# Altium PCB MARLIN.PcbDoc (part 1 of 3)
Units mil, origin at the board's own origin, x right, y up, seen from the top; angles counter-clockwise.
Board outline 6825 x 4695 mil, 2 copper layers (Top Layer, Bottom Layer); 246 components, 209 nets, 796 pads, 202 vias.
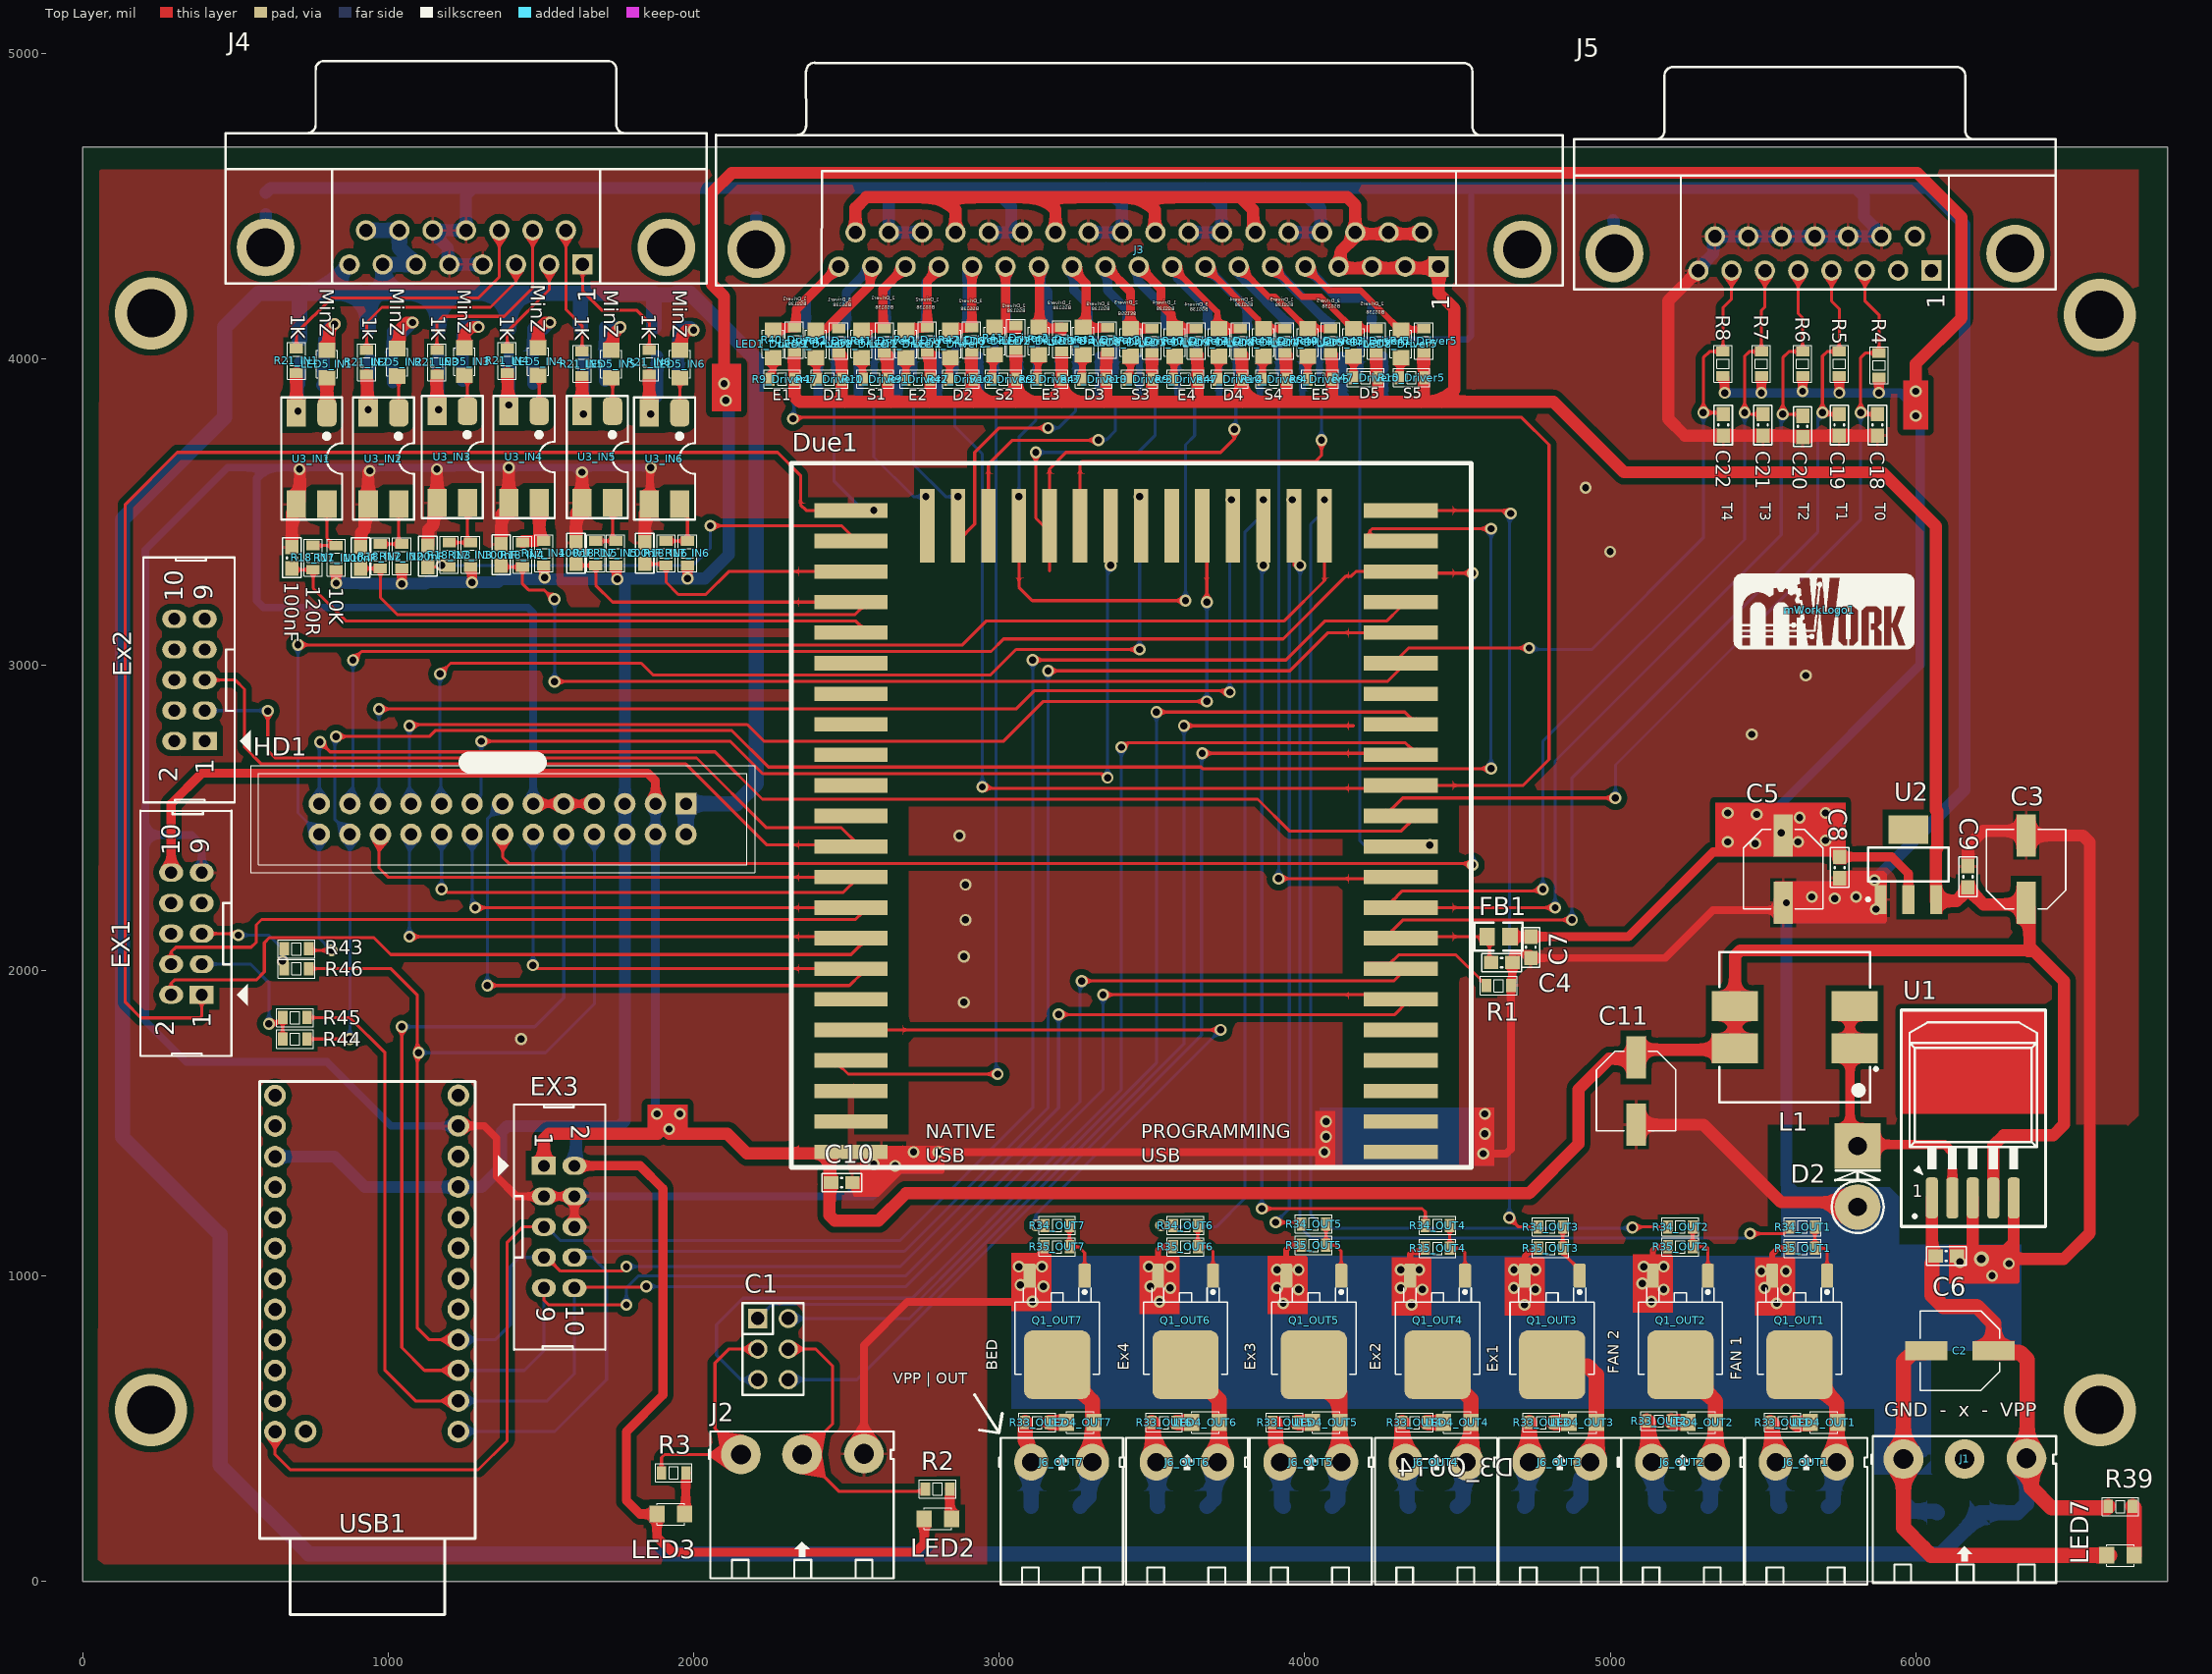
[diagram p0: Top Layer view]
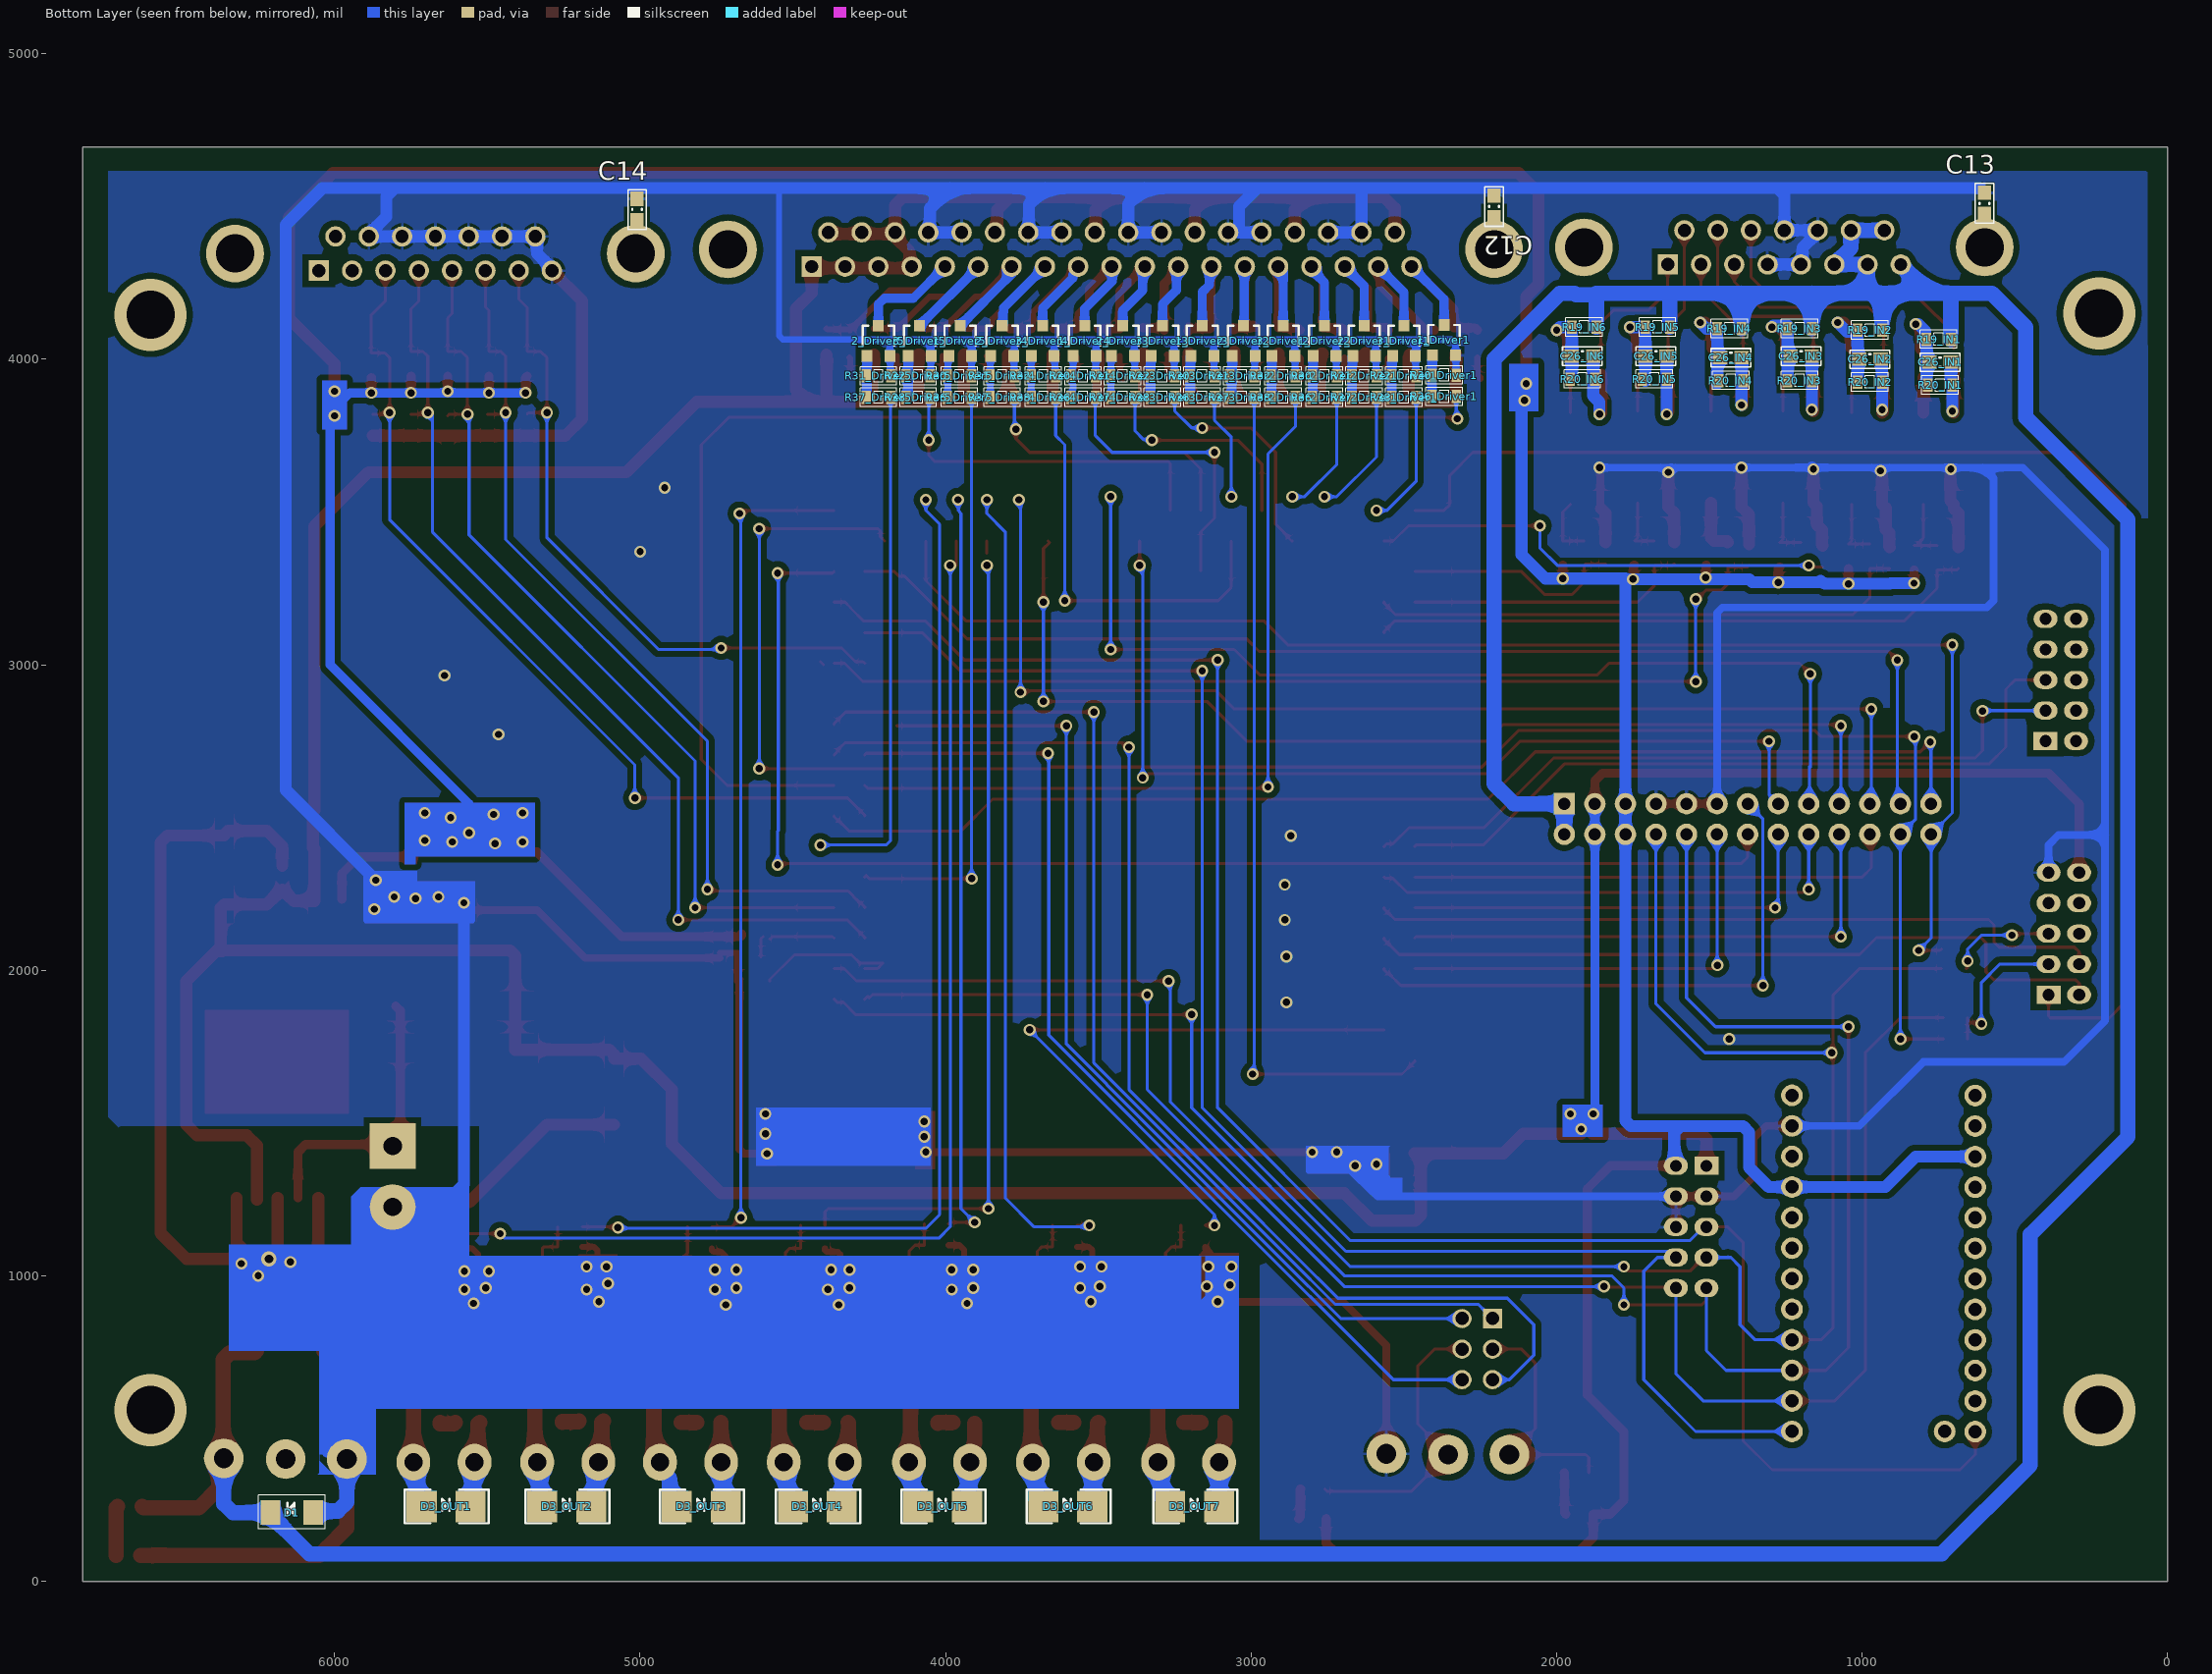
[diagram p1: Bottom Layer view, seen from below]

## Layer stack, top to bottom
Top Solder: solder mask 0.4, Solder Resist, Dk 3.5
Top Layer: signal copper 1.4
Dielectric 1: dielectric 12.6, FR-4, Dk 4.8
Bottom Layer: signal copper 1.4
Bottom Solder: solder mask 0.4, Solder Resist, Dk 3.5

## Board outline
0,0 6825,0 6825,4695 0,4695

## Design rules (kind name [scope] priority, off if disabled: settings)
Clearance "POLYGON IN" [InNamedPolygon('GND_L02_P004') Or InNamedPolygon('GND_L01_P003')] p1: gap=20 ignorepadtopadclearanceinfootprint=FALSE
Clearance [All] p2: gap=10 ignorepadtopadclearanceinfootprint=FALSE except(0: Arc-Hole Track-Hole SMDPad-Hole THPad-Hole Via-Hole Fill-Hole Poly-Hole Region-Hole Text-Hole)
PolygonConnect PolygonConnect_1 [All vs IsNamedPolygon('GND_L01_P013')    Or IsNamedPolygon('GND_L02_P012')] p1: thpad.connectstyle=Relief thpad.reliefconductorwidth=10 thpad.reliefentries=4 thpad.polygonreliefangle="45 Angle" thpad.airgapwidth=10 smdpad.connectstyle=Relief smdpad.reliefconductorwidth=10 smdpad.reliefentries=4 smdpad.polygonreliefangle="45 Angle" smdpad.airgapwidth=10 via.connectstyle=Direct via.reliefconductorwidth=10 via.reliefentries=4 via.polygonreliefangle="90 Angle" via.airgapwidth=10
PolygonConnect [All] p2: thpad.connectstyle=Relief thpad.reliefconductorwidth=10 thpad.reliefentries=4 thpad.polygonreliefangle="90 Angle" thpad.airgapwidth=10 smdpad.connectstyle=Relief smdpad.reliefconductorwidth=10 smdpad.reliefentries=4 smdpad.polygonreliefangle="90 Angle" smdpad.airgapwidth=10 via.connectstyle=Direct via.reliefconductorwidth=10 via.reliefentries=4 via.polygonreliefangle="90 Angle" via.airgapwidth=10
RoomDefinition IN6 [InComponentClass('IN6')] p1: confinementstyle=ConfineIn formatcopy=TRUE lockcomponents=FALSE outline -1040,-3970 960,-3970 960,-2970 -1040,-2970
RoomDefinition IN5 [InComponentClass('IN5')] p2: confinementstyle=ConfineIn formatcopy=TRUE lockcomponents=FALSE outline -1040,-3970 960,-3970 960,-2970 -1040,-2970
RoomDefinition IN4 [InComponentClass('IN4')] p3: confinementstyle=ConfineIn formatcopy=TRUE lockcomponents=FALSE outline -1040,-3970 960,-3970 960,-2970 -1040,-2970
RoomDefinition IN3 [InComponentClass('IN3')] p4: confinementstyle=ConfineIn formatcopy=TRUE lockcomponents=FALSE outline -1040,-3970 960,-3970 960,-2970 -1040,-2970
RoomDefinition DRIVER [InComponentClass('DRIVER')] p5: confinementstyle=ConfineIn formatcopy=TRUE lockcomponents=FALSE outline 10320,-2905 18265,-2905 18265,7845 10320,7845
RoomDefinition OUT7 [InComponentClass('OUT7')] p6: confinementstyle=ConfineIn formatcopy=TRUE lockcomponents=FALSE outline 10340,11250 12340,11250 12340,15750 10340,15750
RoomDefinition OUT3 [InComponentClass('OUT3')] p7: confinementstyle=ConfineIn formatcopy=TRUE lockcomponents=FALSE outline 10340,11250 12340,11250 12340,15750 10340,15750
RoomDefinition OUT6 [InComponentClass('OUT6')] p8: confinementstyle=ConfineIn formatcopy=TRUE lockcomponents=FALSE outline 10340,-1410 11895,-1410 11895,-1160 10340,-1160
RoomDefinition OUT5 [InComponentClass('OUT5')] p9: confinementstyle=ConfineIn formatcopy=TRUE lockcomponents=FALSE outline 10340,-1710 11895,-1710 11895,-1460 10340,-1460
RoomDefinition OUT4 [InComponentClass('OUT4')] p10: confinementstyle=ConfineIn formatcopy=TRUE lockcomponents=FALSE outline 10340,-2010 11895,-2010 11895,-1760 10340,-1760
RoomDefinition IN2 [InComponentClass('IN2')] p11: confinementstyle=ConfineIn formatcopy=TRUE lockcomponents=FALSE outline -1040,-3970 960,-3970 960,-2970 -1040,-2970
RoomDefinition IN1 [InComponentClass('IN1')] p12: confinementstyle=ConfineIn formatcopy=TRUE lockcomponents=FALSE outline -1040,-3970 960,-3970 960,-2970 -1040,-2970
RoomDefinition Driver5 [InComponentClass('Driver5')] p13: confinementstyle=ConfineIn formatcopy=TRUE lockcomponents=FALSE outline -1040,-3970 960,-3970 960,-2970 -1040,-2970
RoomDefinition Driver4 [InComponentClass('Driver4')] p14: confinementstyle=ConfineIn formatcopy=TRUE lockcomponents=FALSE outline -1040,-3970 960,-3970 960,-2970 -1040,-2970
RoomDefinition Driver3 [InComponentClass('Driver3')] p15: confinementstyle=ConfineIn formatcopy=TRUE lockcomponents=FALSE outline -1040,-3970 960,-3970 960,-2970 -1040,-2970
RoomDefinition Driver2 [InComponentClass('Driver2')] p16: confinementstyle=ConfineIn formatcopy=TRUE lockcomponents=FALSE outline -1040,-3970 960,-3970 960,-2970 -1040,-2970
RoomDefinition Driver1 [InComponentClass('Driver1')] p17: confinementstyle=ConfineIn formatcopy=TRUE lockcomponents=FALSE outline -1040,-3970 960,-3970 960,-2970 -1040,-2970
RoomDefinition ThermoCouple [InComponentClass('ThermoCouple')] p18: confinementstyle=ConfineIn formatcopy=TRUE lockcomponents=FALSE outline 10340,-2910 18875,-2910 18875,7840 10340,7840
RoomDefinition POWER [InComponentClass('POWER')] p19: confinementstyle=ConfineIn formatcopy=TRUE lockcomponents=FALSE outline 10340,5260 13905,5260 13905,6090 10340,6090
RoomDefinition LCD_SDCARD [InComponentClass('LCD_SDCARD')] p20: confinementstyle=ConfineIn formatcopy=TRUE lockcomponents=FALSE outline 10340,35 13035,35 13035,975 10340,975
RoomDefinition OUT2 [InComponentClass('OUT2')] p21: confinementstyle=ConfineIn formatcopy=TRUE lockcomponents=FALSE outline 6730,-1532.42 6455,-1532.42 6455,-1955 6730,-1955
RoomDefinition OUT1 [InComponentClass('OUT1')] p22: confinementstyle=ConfineIn formatcopy=TRUE lockcomponents=FALSE outline 7030,-1532.42 6755,-1532.42 6755,-1960 7030,-1960
RoomDefinition mainMARLIN [InComponentClass('mainMARLIN')] p23: confinementstyle=ConfineIn formatcopy=TRUE lockcomponents=FALSE outline 10300,1315 10975,1315 10975,2260 10300,2260
RoomDefinition "LIMIT SWITCH" [InComponentClass('LIMIT SWITCH')] p24: confinementstyle=ConfineIn formatcopy=TRUE lockcomponents=FALSE outline 7840,-2025 7085,-2025 7085,-2890 7840,-2890
RoutingVias [All] p1: holewidth=23.62 width=39.37 viastyle="Through Hole" minholewidth=23.62 minwidth=39.37 maxholewidth=23.62 maxwidth=39.37
SolderMaskExpansion [All] p1: expansion=4 istentingtop=FALSE
Width [All] p1: maxlimit=50 minlimit=10 preferedwidth=30
30 further rules are at their usual default settings.

## Classes and differential pairs
component class OUT7: D3_OUT7 J6_OUT7 LED4_OUT7 Q1_OUT7 R33_OUT7 R34_OUT7 R35_OUT7
component class OUT5: D3_OUT5 J6_OUT5 LED4_OUT5 Q1_OUT5 R33_OUT5 R34_OUT5 R35_OUT5
component class OUT3: D3_OUT3 J6_OUT3 LED4_OUT3 Q1_OUT3 R33_OUT3 R34_OUT3 R35_OUT3
component class OUT2: D3_OUT2 J6_OUT2 LED4_OUT2 Q1_OUT2 R33_OUT2 R34_OUT2 R35_OUT2
component class OUT1: D3_OUT1 J6_OUT1 LED4_OUT1 Q1_OUT1 R33_OUT1 R34_OUT1 R35_OUT1
net class STEP[1..5]: STEP1 STEP2 STEP3 STEP4 STEP5
net class EN[1..5]: EN1 EN2 EN3 EN4 EN5
net class DIR[1..5]: DIR1 DIR2 DIR3 DIR4 DIR5
channel class OUT_HIGHPOWER: OUT4 OUT6 OUTA OUTB OUTE OUTF OUTG
channel class DriverAxis: Driver1 Driver2 Driver3 Driver4 Driver5
net class T[0..4]: T0 T1 T2 T3 T4
component class ThermoCouple: C14 C18 C19 C20 C21 C22 J5 R4 R5 R6 R7 R8
component class OUT4: D3_OUT4 J6_OUT4 LED4_OUT4 Q1_OUT4 R33_OUT4 R34_OUT4 R35_OUT4
component class OUT6: D3_OUT6 J6_OUT6 LED4_OUT6 Q1_OUT6 R33_OUT6 R34_OUT6 R35_OUT6
component class LCD_SDCARD: EX1 Ex2 EX3 R43 R44 R45 R46
component class IN6: 100nF C26_IN6 LED5_IN6 R17_IN6 R18_IN6 R19_IN6 R20_IN6 R21_IN6 U3_IN6
component class IN5: 100nF C26_IN5 LED5_IN5 R17_IN5 R18_IN5 R19_IN5 R20_IN5 R21_IN5 U3_IN5
component class IN4: 100nF C26_IN4 LED5_IN4 R17_IN4 R18_IN4 R19_IN4 R20_IN4 R21_IN4 U3_IN4
component class IN3: 100nF C26_IN3 LED5_IN3 R17_IN3 R18_IN3 R19_IN3 R20_IN3 R21_IN3 U3_IN3
component class IN2: 100nF C26_IN2 LED5_IN2 MaxY R17_IN2 R18_IN2 R19_IN2 R20_IN2 R21_IN2 U3_IN2
component class IN1: 100nF C26_IN1 LED5_IN1 R17_IN1 R18_IN1 R19_IN1 R20_IN1 R21_IN1 U3_IN1
component class DRIVER: C12 J3
component class Driver5: 1_Driver5 2_Driver5 3_Driver5 LED1_Driver5 LED8_Driver5 LED9_Driver5 R9_Driver5 R10_Driver5 R30_Driver5 R31_Driver5 R32_Driver5 R36_Driver5 R37_Driver5 R38_Driver5 R40_Driver5 R41_Driver5 R42_Driver5 R47_Driver5 TP1_DriverE TP2_DriverE
component class Driver4: 1_Driver4 2_Driver4 3_Driver4 LED1_Driver4 LED8_Driver4 LED9_Driver4 R9_Driver4 R10_Driver4 R30_Driver4 R31_Driver4 R32_Driver4 R36_Driver4 R37_Driver4 R38_Driver4 R40_Driver4 R41_Driver4 R42_Driver4 R47_Driver4 TP1_DriverD TP2_DriverD
component class Driver3: 1_Driver3 2_Driver3 3_Driver3 LED1_Driver3 LED8_Driver3 LED9_Driver3 R9_Driver3 R10_Driver3 R30_Driver3 R31_Driver3 R32_Driver3 R36_Driver3 R37_Driver3 R38_Driver3 R40_Driver3 R41_Driver3 R42_Driver3 R47_Driver3 TP1_DriverC TP2_DriverC
component class Driver2: 1_Driver2 2_Driver2 3_Driver2 LED1_Driver2 LED8_Driver2 LED9_Driver2 R9_Driver2 R10_Driver2 R30_Driver2 R31_Driver2 R32_Driver2 R36_Driver2 R37_Driver2 R38_Driver2 R40_Driver2 R41_Driver2 R42_Driver2 R47_Driver2 TP1_DriverB TP2_DriverB
component class Driver1: 1_Driver1 2_Driver1 3_Driver1 LED1_Driver1 LED8_Driver1 LED9_Driver1 R9_Driver1 R10_Driver1 R30_Driver1 R31_Driver1 R32_Driver1 R36_Driver1 R37_Driver1 R38_Driver1 R40_Driver1 R41_Driver1 R42_Driver1 R47_Driver1 TP1_DriverA TP2_DriverA
channel class inopto: IN1 IN2 IN3 IN4 IN5 IN6
net class LIMITMIN[1..3]: LIMITMIN1 LIMITMIN2 LIMITMIN3
net class LIMITMAX[1..3]: LIMITMAX1 LIMITMAX2 LIMITMAX3
component class "LIMIT SWITCH": C13 J4
component class POWER: C2 C3 C5 C6 C8 C9 C11 D1 D2 L1 LED7 R39 U1 U2
component class mainMARLIN: C1 C4 C7 C10 Due1 FB1 HD1 J1 J2 LED2 LED3 mWorkLogo1 R1 R2 R3 USB1
